# Altium PCB MOTHERBOARD_Hristo_JLC2313.PcbDoc (part 1 of 4) (continued)
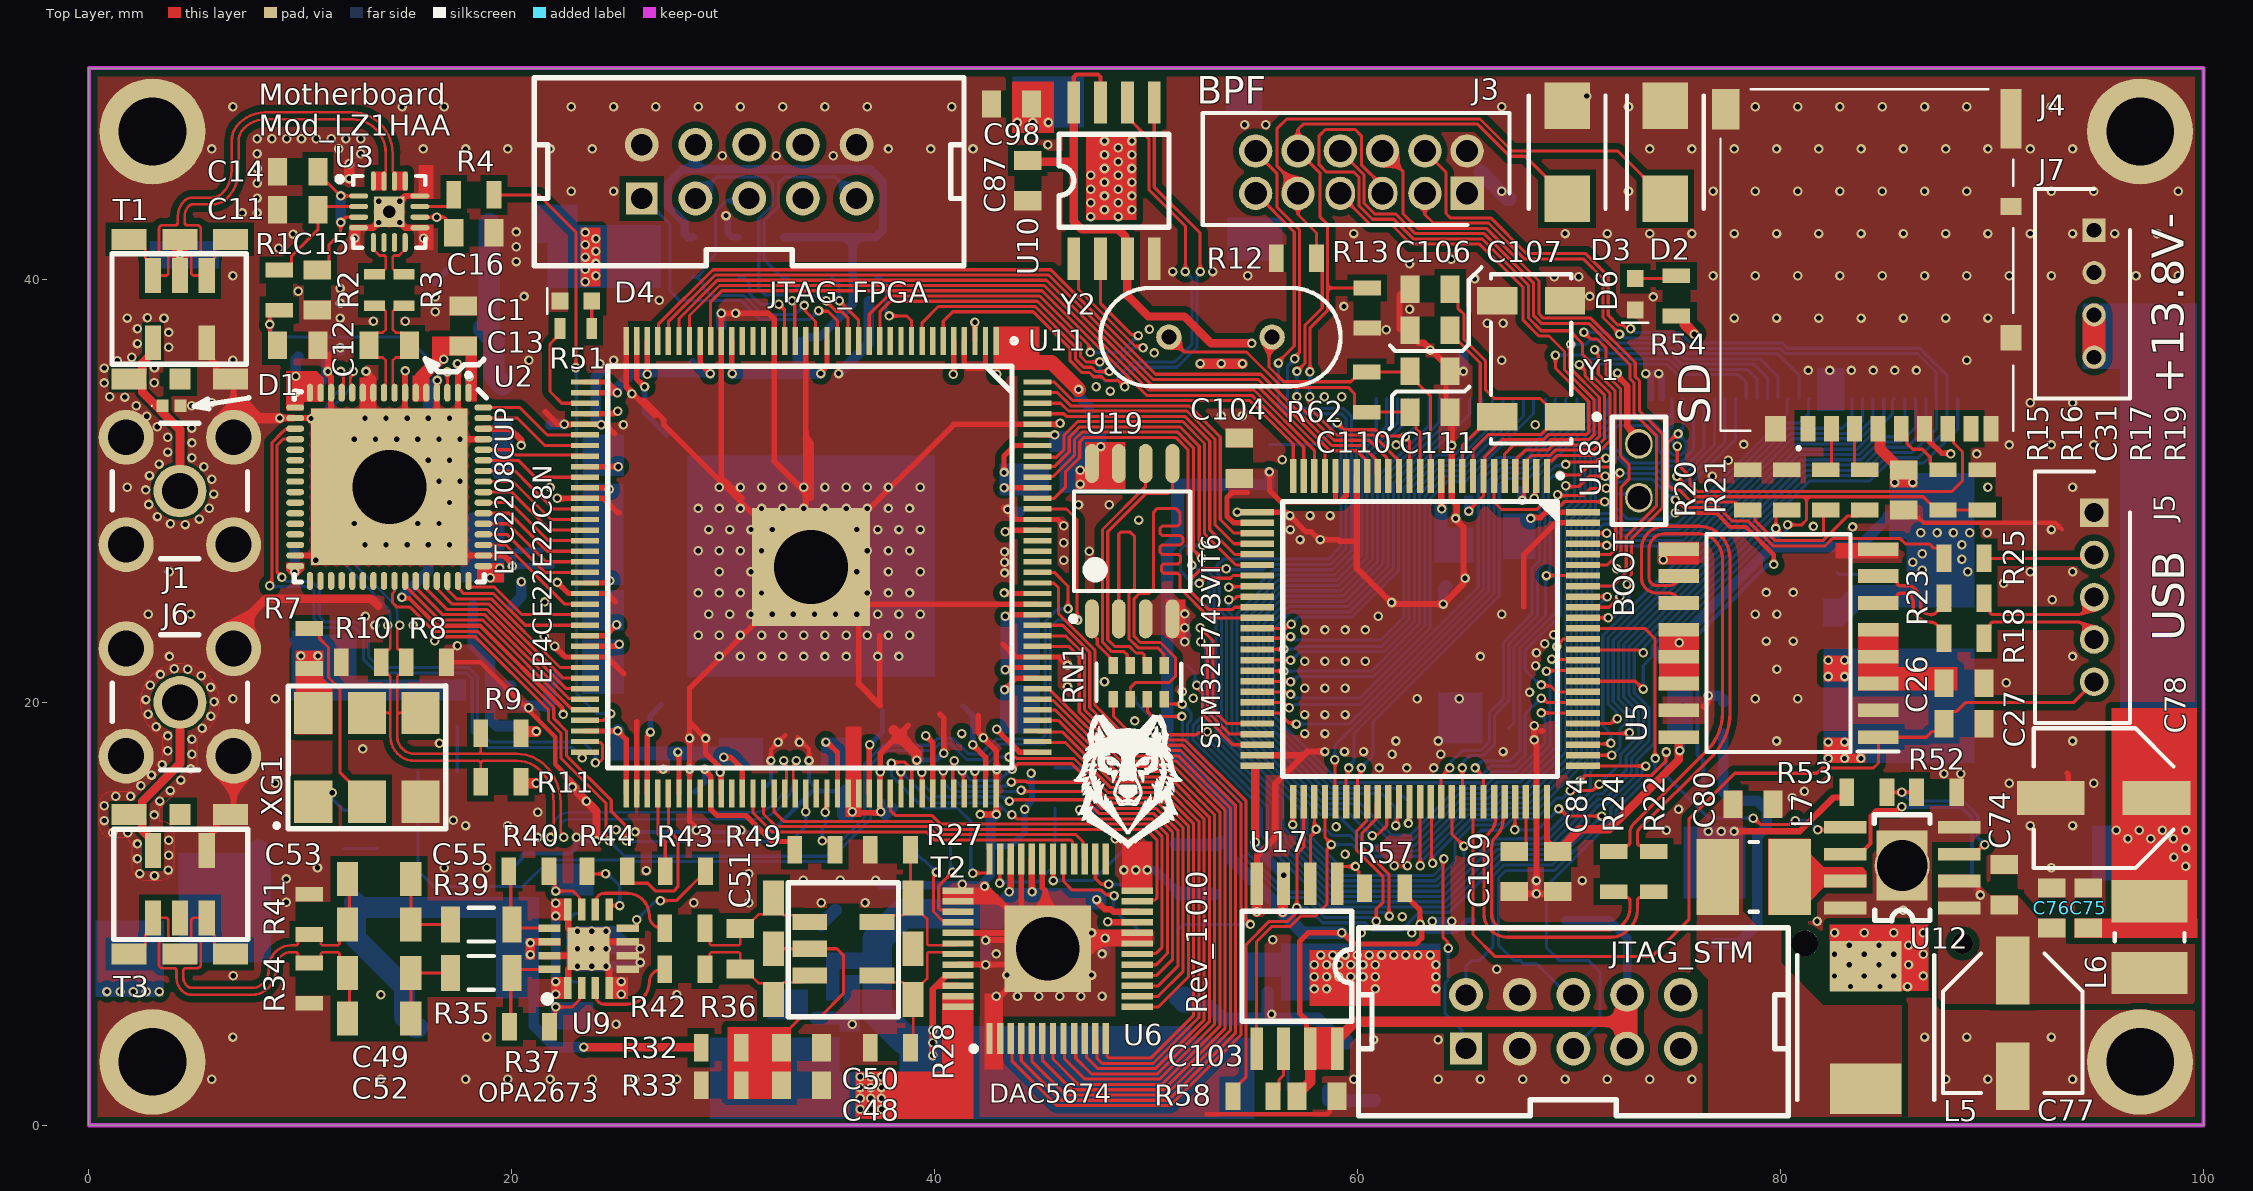
[diagram p0: Top Layer view]
## Footprints (in the part's own frame and the unit in brackets; to place one, negate y for a bottom-side part, rotate by r counter-clockwise, add the part's x,y. Pads: shape width x height; smd on the part's side, far side on the other; paste and mask are expansions set on the pad) (continued)
  rect 10x52 smd: 37(-344.49,-421.26) 38(-324.8,-421.26) 39(-305.12,-421.26) 40(-285.43,-421.26) 41(-265.75,-421.26) 42(-246.06,-421.26) 43(-226.38,-421.26) 44(-206.69,-421.26) 45(-187.01,-421.26) 46(-167.32,-421.26) 47(-147.64,-421.26) 48(-127.95,-421.26) 49(-108.27,-421.26) 50(-88.58,-421.26) 51(-68.9,-421.26) 52(-49.21,-421.26) 53(-29.53,-421.26) 54(-9.84,-421.26) 55(9.84,-421.26) 56(29.53,-421.26) 57(49.21,-421.26) 58(68.9,-421.26) 59(88.58,-421.26) 60(108.27,-421.26) 61(127.95,-421.26) 62(147.64,-421.26) 63(167.32,-421.26) 64(187.01,-421.26) 65(206.69,-421.26) 66(226.38,-421.26) 67(246.06,-421.26) 68(265.75,-421.26) 69(285.43,-421.26) 70(305.12,-421.26) 71(324.8,-421.26) 72(344.49,-421.26) 109(344.49,421.26) 110(324.8,421.26) 111(305.12,421.26) 112(285.43,421.26) 113(265.75,421.26) 114(246.06,421.26) 115(226.38,421.26) 116(206.69,421.26) 117(187.01,421.26) 118(167.32,421.26) 119(147.64,421.26) 120(127.95,421.26) 121(108.27,421.26) 122(88.58,421.26) 123(68.9,421.26) 124(49.21,421.26) 125(29.53,421.26) 126(9.84,421.26) 127(-9.84,421.26) 128(-29.53,421.26) 129(-49.21,421.26) 130(-68.9,421.26) 131(-88.58,421.26) 132(-108.27,421.26) 133(-127.95,421.26) 134(-147.64,421.26) 135(-167.32,421.26) 136(-187.01,421.26) 137(-206.69,421.26) 138(-226.38,421.26) 139(-246.06,421.26) 140(-265.75,421.26) 141(-285.43,421.26) 142(-305.12,421.26) 143(-324.8,421.26) 144(-344.49,421.26)
  round 157.48 hole 137.8: 145(0.01,-0.02)
  rect 220x220 smd: 145(0.01,-0.02)
  silkscreen extent -426,-379 374,383, body extent -394,-394 394,394, height 65
R-0603#1 [mm] "Thin Film, Rectangular Resisitor Chip, Body 1.6 x 0.9 mm (L x W)"
  rect 0.5x1 smd: 1(-0.75,0) 2(0.75,0)
  Top Layer pour cut-out: -0.5,0.5 0.5,0.5 0.5,-0.5 -0.5,-0.5
  body extent -0.8,-0.4 0.8,0.4, height 0.45
R-0603#2 [mm] "Thin Film, Rectangular Resisitor Chip, Body 1.6 x 0.9 mm (L x W)"
  rect 0.5x1 smd: 1(-0.75,0) 2(0.75,0)
  body extent -0.8,-0.4 0.8,0.4, height 0.45
R-0805 [mm] "Thin Film, Rectangular Resisitor Chip, Body 2 x 1.2 mm (L x W)"
  rect 0.7x1.3 smd: 1(-0.95,0) 2(0.95,0)
  Top Layer pour cut-out: -0.6,0.65 0.6,0.65 0.6,-0.65 -0.6,-0.65
  body extent -1,-0.62 1,0.62, height 0.6
RCLAMP0521PATCT [mm]
  rect 0.55x0.6 smd: 1(0.425,0) 2(-0.425,0)
  silkscreen extent 0.9,-0.02 0.95,0.02
RES_0603 [mm] "Thin Film, Rectangular Resisitor Chip, Body 1.6 x 0.9 mm (L x W)"
  rect 0.5x1 smd: 1(-0.75,0) 2(0.75,0)
  Top Layer pour cut-out: -0.5,0.5 0.5,0.5 0.5,-0.5 -0.5,-0.5
  body extent -0.8,-0.4 0.8,0.4, height 0.45
RES_0805 [mm] "Thin Film, Rectangular Resisitor Chip, Body 2 x 1.2 mm (L x W)"
  rect 0.7x1.3 smd: 1(-0.95,0) 2(0.95,0)
  Top Layer pour cut-out: -0.6,0.65 0.6,0.65 0.6,-0.65 -0.6,-0.65
  body extent -1,-0.62 1,0.62, height 0.6
RES_1206 [mm] "Thin Film, Rectangular Resisitor Chip, Body 3.2 x 1.6 mm (L x W)"
  rect 0.9x1.7 smd: 1(-1.45,0) 2(1.45,0)
  Top Layer pour cut-out: -1,0.85 1,0.85 1,-0.85 -1,-0.85
  silkscreen extent -0.6,-0.8 0.6,0.8, body extent -1.6,-0.8 1.6,0.8, height 0.6
SHDR4W50P0X200_1X4_990X450X600P [mm]
  rect 1.1x1.1 hole 0.7: 1(0,0)
  round 1.1 hole 0.7: 2(-2,0) 3(-4,0) 4(-6,0)
  silkscreen extent -7.95,-1.7 1.95,2.8, body extent -7.95,-2.25 1.95,2.25, height 6
SHDR5W50P0X200_1X5_1190X450X600P [mm]
  rect 1.35x1.35 hole 0.9: 1(0,0)
  round 1.35 hole 0.9: 2(-2,0) 3(-4,0) 4(-6,0) 5(-8,0)
  silkscreen extent -9.95,-1.7 1.95,2.8, body extent -9.95,-2.25 1.95,2.25, height 6
SHDR12W60P200_2X6_1400X500X690P [mm]
  rect 1.575x1.575 hole 1.05: 1(0,0)
  round 1.575 hole 1.05: 2(0,2) 3(-2,0) 4(-2,2) 6(-4,2) 8(-6,2) 9(-8,0) 10(-8,2) 11(-10,0) 12(-10,2)
  oval 1.4x1.575 hole 1.05: 5(-4,0) 7(-6,0)
  silkscreen extent -12.5,-1.5 2,3.8, body extent -12,-1.5 2,3.5, height 6.9
SMBJ36CATR [mm]
  rect 2.2x2.15 smd: 1(-2.2,0) 2(2.2,0)
  silkscreen extent -2.68,-1.81 2.68,1.81, body extent -3.08,-1.81 3.09,1.81, height 2.75
SOIC127P1032X265-16N [mm]
  rect 1.925x0.65 smd: 1(-4.712,4.445) 2(-4.712,3.175) 3(-4.712,1.905) 4(-4.712,0.635) 5(-4.712,-0.635) 6(-4.712,-1.905) 7(-4.712,-3.175) 8(-4.712,-4.445) 9(4.712,-4.445) 10(4.712,-3.175) 11(4.712,-1.905) 12(4.712,-0.635) 13(4.712,0.635) 14(4.712,1.905) 15(4.712,3.175) 16(4.712,4.445)
  silkscreen extent -5.68,-5.15 3.4,5.15, body extent -5.16,-5.15 5.16,5.15, height 2.65
ST1S10 [mm]
  rect 2x0.6 smd: 1(-2.7,1.905) 2(-2.7,0.635) 3(-2.7,-0.635) 4(-2.7,-1.905) 5(2.7,-1.905) 6(2.7,-0.635) 7(2.7,0.635) 8(2.7,1.905)
  rect 2.41x3.3 smd: 9(0,-0.1)
  silkscreen extent -1.32,-2.5 1.32,2.5, body extent -3,-2.45 3,2.45, height 1.63
STM32H743VIT6 [mm]
  rect 1.6x0.3 smd: 1(-7.7,6) 2(-7.7,5.5) 3(-7.7,5) 4(-7.7,4.5) 5(-7.7,4) 6(-7.7,3.5) 7(-7.7,3) 8(-7.7,2.5) 9(-7.7,2) 10(-7.7,1.5) 11(-7.7,1) 12(-7.7,0.5) 13(-7.7,0) 14(-7.7,-0.5) 15(-7.7,-1) 16(-7.7,-1.5) 17(-7.7,-2) 18(-7.7,-2.5) 19(-7.7,-3) 20(-7.7,-3.5) 21(-7.7,-4) 22(-7.7,-4.5) 23(-7.7,-5) 24(-7.7,-5.5) 25(-7.7,-6) 51(7.7,-6) 52(7.7,-5.5) 53(7.7,-5) 54(7.7,-4.5) 55(7.7,-4) 56(7.7,-3.5) 57(7.7,-3) 58(7.7,-2.5) 59(7.7,-2) 60(7.7,-1.5) 61(7.7,-1) 62(7.7,-0.5) 63(7.7,0) 64(7.7,0.5) 65(7.7,1) 66(7.7,1.5) 67(7.7,2) 68(7.7,2.5) 69(7.7,3) 70(7.7,3.5) 71(7.7,4) 72(7.7,4.5) 73(7.7,5) 74(7.7,5.5) 75(7.7,6)
  rect 0.3x1.6 smd: 26(-6,-7.7) 27(-5.5,-7.7) 28(-5,-7.7) 29(-4.5,-7.7) 30(-4,-7.7) 31(-3.5,-7.7) 32(-3,-7.7) 33(-2.5,-7.7) 34(-2,-7.7) 35(-1.5,-7.7) 36(-1,-7.7) 37(-0.5,-7.7) 38(0,-7.7) 39(0.5,-7.7) 40(1,-7.7) 41(1.5,-7.7) 42(2,-7.7) 43(2.5,-7.7) 44(3,-7.7) 45(3.5,-7.7) 46(4,-7.7) 47(4.5,-7.7) 48(5,-7.7) 49(5.5,-7.7) 50(6,-7.7) 76(6,7.7) 77(5.5,7.7) 78(5,7.7) 79(4.5,7.7) 80(4,7.7) 81(3.5,7.7) 82(3,7.7) 83(2.5,7.7) 84(2,7.7) 85(1.5,7.7) 86(1,7.7) 87(0.5,7.7) 88(0,7.7) 89(-0.5,7.7) 90(-1,7.7) 91(-1.5,7.7) 92(-2,7.7) 93(-2.5,7.7) 94(-3,7.7) 95(-3.5,7.7) 96(-4,7.7) 97(-4.5,7.7) 98(-5,7.7) 99(-5.5,7.7) 100(-6,7.7)
  silkscreen extent -7.92,-6.5 6.5,6.85, body extent -7,-7 7,7, height 1.6
TO228P991X238-3N [mm]
  rect 1.75x1 smd: 1(-4.7,2.285) 3(-4.7,-2.285)
  rect 6.35x5.55 smd: 4(2.4,0)
  silkscreen extent -5.42,-3.25 -1.15,3.42, body extent -4.95,-3.29 4.95,3.29, height 2.3
TO-252-2L [mm]
  rect 1.2x2 smd: 1(-2.285,-3.313) 3(2.285,-3.313)
  rect 5.8x5.85 smd: 2(0,3.313)
  silkscreen extent -3.17,-1.91 3.17,0.38
TRANSF_ACORE [mm]
  rect 1x1.65 smd: 1(-3.3,2.4) 2(-3.3,0) 3(-3.3,-2.4) 4(3.3,-2.4) 6(3.3,2.4)
  rect 1x1 smd: 5(3.3,0)
  rect 1.65x0.76 smd: 7(-1.59,1.27) 8(-1.59,0) 9(-1.59,-1.27) 10(1.59,1.27) 11(1.59,-1.27)
  silkscreen extent -2.61,-3.21 2.61,3.13, body extent -3.5,-3.94 3.5,3.94, height 5.24
TRANSF_ACORE2#1 [mm]
  rect 1x1.65 smd: 1(-3.3,2.4) 2(-3.3,0) 3(-3.3,-2.4) 4(3.3,-2.4) 6(3.3,2.4)
  rect 1x1 smd: 5(3.3,0)
  rect 1.65x0.76 smd: 7(-1.59,1.27) 8(-1.59,0) 9(-1.59,-1.27) 10(1.59,1.27) 11(1.59,-1.27)
  silkscreen extent -2.61,-3.21 2.61,3.13, body extent -3.5,-3.94 3.5,3.94, height 5.24
TRANSF_ACORE2#2 [mm]
  rect 1x1.65 smd: 1(-3.3,2.4) 2(-3.3,0) 3(-3.3,-2.4) 4(3.3,-2.4) 5(3.3,0) 6(3.3,2.4)
  rect 1.65x0.76 smd: 7(-1.59,1.27) 8(-1.59,0) 9(-1.59,-1.27) 10(1.59,1.27) 11(1.59,-1.27)
  silkscreen extent -2.61,-3.21 2.61,3.13, body extent -3.5,-3.94 3.5,3.94, height 5.24
W25Q16 [mm]
  rect 2x0.6 smd: 1(-3.9,1.9) 2(-3.9,0.635) 3(-3.9,-0.635) 4(-3.9,-1.905) 5(3.9,-1.905) 6(3.9,-0.635) 7(3.9,0.635) 8(3.9,1.9)
  silkscreen extent -2.6,-2.6 2.6,2.6, body extent -4.05,-2.69 4.05,2.69, height 2.16
WE-LQ-L [mm] "Inductor, 2-Leads, Body 4.5 x 3.2 mm"
  rect 2x3.6 smd: 1(-1.7,0) 2(1.7,0)
  silkscreen extent -0.2,-1.65 0.2,1.65, body extent -2.25,-1.6 2.25,1.6, height 2.59

## Part data
BOOT: library part 51022-0200, "2 Pin"
BT1: library part CMP-15817-000007-1, "BATTERY HOLDER COIN 12MM SMD", Case/Package=SMD/SMT, Max Operating Temperature=105°C, Min Operating Temperature=-55°C, Package Quantity=500, Contact Plating=Bronze, Material=Polyphenylene, Mount="Surface Mount", Number of Batteries=1, Number of Cells=1, Packaging="Tape and Reel", REACH SVHC="No SVHC", Termination=SMD/SMT
C1 C2 C3 C4 C5 C6 C9 C10 C11 C12 C13 C14 C15 C16 C17 C18 C19 C20 C21 C22 C24 C25 C26 C27 C28 C29 C31 C32 C33 C34 C35 C36 C39 C40 C42 C44 C45 C46 C47 C48 C50 C51 C54 C56 C57 C58 C59 C60 C61 C62 C63 C64 C65 C66 C67 C68 C69 C70 C71 C72 C73 C74 C75 C76 C80 C82 C83 C84 C87 C88 C90 C91 C92 C93 C94 C96 C98 C99 C100 C101 C102 C103 C104 C105 C106 C107 C108 C109 C110 C111 C113: library part CAP_0805, "CAP_0805"
C7 C8 C23 C30 C37 C38 C41 C43 C79 C81 C89 C95 C97: library part CAPAE_4.3x4.3h5.4, "CAPAE_4.3x4.3h5.4"
C49 C52 C53 C55: library part CAP_1206, "CAP_1206"
C77 C78: "Capacitor Polarised", Manufacturer_Name=Panasonic, Datasheet Link=http://industrial.panasonic.com/cdbs/www-data/pdf/RDE0000/ABA0000C1145.pdf, Height=7.8mm, Manufacturer_Part_Number=EEE1EA220SP
C85 C86: library part "C semi", "Ceramic Multilayer Capacitor", Manufacturer=Yageo/Phycomp, Manufacturer P/N=CC0603KRX7R9BB104, Tolerance=±10%, numsch=011, Parameters="100nF, X7R, 50V, ±10%", TypeNum=155
C112: library part "C semi", "Ceramic Multilayer Capacitor", Manufacturer=Yageo/Phycomp, Manufacturer P/N=CC0603JRNPO9BN102, Tolerance=±10%, numsch=011, Parameters="1nF, NP0, 50V, ±5%", TypeNum=155
D1: "TVS Diode (Uni-directional)", Manufacturer_Name=SEMTECH, Mouser Part Number=947-RCLAMP0521PATCT, Arrow Part Number=RCLAMP0521PATCT, Arrow Price/Stock=https://www.arrow.com/en/products/rclamp0521patct/semtech?region=nac, Datasheet Link=https://datasheet.datasheetarchive.com/originals/distributors/Datasheets-DGA26/1841510.pdf, Manufacturer_Part_Number=RCLAMP0521PATCT, Mouser Price/Stock=https://www.mouser.co.uk/ProductDetail/Semtech/RCLAMP0521PATCT?qs=rBWM4%252BvDhIfB36%252BFxGdBkA%3D%3D
D2 D3: library part SMLVT3V3, "Diode", Manufacturer_Name=STMicroelectronics, Mouser Part Number=511-SMLVT3V3, RS Part Number=5444821P, Allied Price/Stock=http://www.alliedelec.com/stmicroelectronics-smlvt3v3/70013736/, Allied_Number=70013736, Datasheet Link=http://www.st.com/web/en/resource/technical/document/datasheet/CD00000923.pdf, Height=2.65mm, Manufacturer_Part_Number=SMLVT3V3, Mouser Price/Stock=https://www.mouser.com/Search/Refine.aspx?Keyword=511-SMLVT3V3, RS Price/Stock=http://uk.rs-online.com/web/p/products/5444821P
D4 D6: library part "D LED", "SMD LED Diode", Manufacturer=Paralight, Manufacturer P/N=L-C192KFCT
D5: library part CMP-02539-000012-1, "DIODE SCHOTTKY 40V 3A DO214AB", Forward Current=3A, Manufacturer=Vishay, Max Junction Temp=+150°C, Max Repetitive Reverse Voltage=40V, Max Surge Forward Current=100A, Package=95402, Peak Reverse Current=0.5mA, Temperature="-55°C to +150°C", Temperature Range Low=-55°C, Automotive=No, Category=Diode, ComponentLink2Description=Datasheet, ComponentLink2URL=http://www.vishay.com/docs/88751/ss32.pdf, Device Class L1="Discrete Semiconductors", Device Class L2=Diodes, Device Class L3="Schottky Diodes", Digikey Description="DIODE SCHOTTKY 40V 3A DO214AB", Footprint Url=http://www.vishay.com/docs/95402/smc.pdf, Height=2.62mm, Lead Free=Yes, Manufacturer Part Number=SS34-E3/57T, Mouser Description="Schottky Diodes & Rectifiers 3.0 Amp 40 Volt", Octopart=https://octopart.com/ss34-e3%2F57t-vishay-39552907, RoHS=TRUE, Standoff Height=0mm, Temperature Range High=+150°C
J1 J6: library part 31-5431, "SMA"
J3: "Connector", Arrow Part Number=DF11-12DP-2DSA(24), Manufacturer_Name=Hirose, Mouser Part Number=798-DF11-12DP-2DSA24, Arrow Price/Stock=https://www.arrow.com/en/products/df11-12dp-2dsa-24/hirose-electric, Datasheet Link=https://datasheet.datasheetarchive.com/originals/distributors/SFDatasheet-7/sf-000141225.pdf, Height=6.9mm, Manufacturer_Part_Number=DF11-12DP-2DSA(24), Mouser Price/Stock=https://www.mouser.co.uk/ProductDetail/Hirose-Connector/DF11-12DP-2DSA24?qs=zOgoZG1CgI9hGIQfeQgy6Q%3D%3D
J4: "Connector", Manufacturer_Name=HRS(Hirose), Datasheet Link=https://datasheet.lcsc.com/szlcsc/Hirose-HRS-DM3AT-SF-PEJM5_C114218.pdf, Height=1.83mm, Manufacturer_Part_Number=DM3AT-SF-PEJM5
J5: "Connector", Arrow Part Number=B5B-PH-K-S(LF)(SN), Manufacturer_Name="JST (JAPAN SOLDERLESS TERMINALS)", Arrow Price/Stock=https://www.arrow.com/en/products/b5b-ph-k-s-lf-sn/jst-manufacturing, Datasheet Link=http://uk.rs-online.com/web/p/products/8201438, Height=6mm, Manufacturer_Part_Number=B5B-PH-K-S(LF)(SN)
J7: "Connector", Arrow Part Number=B4B-PH-K-S(LF)(SN), Manufacturer_Name="JST (JAPAN SOLDERLESS TERMINALS)", Arrow Price/Stock=https://www.arrow.com/en/products/b4b-ph-k-s-lf-sn/jst-manufacturing, Datasheet Link=https://datasheet.lcsc.com/szlcsc/JST-Sales-America-B4B-PH-K-S-LF-SN_C131334.pdf, Height=6mm, Manufacturer_Part_Number=B4B-PH-K-S(LF)(SN)
JTAG_FPGA JTAG_STM: library part IDC10, "2*5 Pin"
L1 L3: library part CMP-2000-05954-1, "Chip Bead, 1000 Ohm, +/- 25%, 200 mA, -55 to 85 degC, 2-Pin SMD, RoHS, Tape and Reel", Case Height=0.85mm, Case Length=2mm, Case Width=1.25mm, Manufacturer=Murata, Maximum DC Current=200mA, Maximum DC Resistance=450mOhms, Operating Temperature Range=-55Cto+125C, Package / Case=0805(2012metric), Package Description="2-Pin Surface Mount Device, Body 2 x1.25 mm", Package Reference=0805, Test Frequency=100MHz, Tolerance=25%, Brand=MurataElectronics, Datasheet URL=http://datasheet.octopart.com/BLM21AH102SN1D-Murata-datasheet-629859.pdf, Datasheet Version=11/2017, Dimensions=1.25mmWx2mmLx0.85mmH, Factory Pack Quantity=4000, Impedance=1kOhms, Manufacturer URL=http://www.murata.com/, Mounting Technology=SurfaceMount, Packaging=Reel, Product=FerriteChipBeads, Product Category=EMIFilterBeads,Chips&Arrays, RoHS=Details, Series=BLM21A, Termination Style=SMD/SMT
L2: library part CMP-14484-000363-1, "SMD Inductors 22uH ±20% 0.78A 0.351Ω 1210", Case Code (Imperial)=1210, Case Code (Metric)=3225, Current Rating=780mA, DC Resistance (DCR)=351mR, Inductance=22uH, Inductance Tolerance=20%, Max Operating Temperature=105°C, Min Operating Temperature=-40°C, Package Quantity=1000, Resistor Type=Wirewound, Saturation Current=620mA, Self Resonant Frequency=17MHz, Test Frequency=100kHz, Case/Package=1210, Core Material=Ferrite, DC Current=780mA, Depth=2.7mm, Halogen Free="Halogen Free", Height=2.5mm, Height - Seated (Max)=0.106inch, Lead Free="Lead Free", Length=0.126inch, Max DC Current=780mA, Military Standard=Not, Mount="Surface Mount", Number of Pins=2, Packaging="Tape and Reel", Radiation Hardening=No, RoHS Compliant=Yes, Series=CB, Shielding=Unshielded, Termination=SMD/SMT, Tolerance=20%, Width=0.098inch
L4 L6 L7: library part CMP-0227-00587-1, "SMD-RF-Inductor WE-LQ, L = 3.30 µH", Inductance="3.30 ÂµH", ComponentLink1Description="Manufacturer Link", ComponentLink1URL=http://www.we-online.com, ComponentLink2Description=Datasheet, ComponentLink2URL=http://www.we-online.de/katalog/media/pdf/744045003.pdf, DatasheetVersion="ver 3, Jul-2006", PackageDescription="Inductor, 2-Leads, Body 4.5 x 3.2 mm", PackageReference=WE-LQ-L, PackageVersion=2006
L5: "Inductor", Manufacturer_Name=Vishay, Mouser Part Number=70-IHLP2525CZER100M0, Arrow Part Number=IHLP2525CZER100M01, Arrow Price/Stock=https://www.arrow.com/en/products/ihlp2525czer100m01/vishay?region=nac, Datasheet Link=https://www.vishay.com/docs/34104/ihlp-2525cz-01.pdf, Height=3mm, Manufacturer_Part_Number=IHLP2525CZER100M01, Mouser Price/Stock=https://www.mouser.co.uk/ProductDetail/Vishay-Dale/IHLP2525CZER100M01?qs=PA%252BPfIdQ8xl3JLrMc5InbA%3D%3D
R1 R4 R5 R6 R8 R9 R10 R11 R12 R13 R14 R15 R16 R17 R18 R19 R20 R21 R22 R23 R24 R25 R26 R27 R28 R29 R30 R31 R32 R33 R34 R36 R37 R38 R40 R41 R42 R43 R44 R45 R46 R47 R48 R49 R50 R52 R53 R57 R58 R59 R60 R61 R62 R63 R65: library part RES_0805, "RES_0805"
R2 R3: library part RES_0603, "RES_0603"
R7: library part RES_0805, "By used crystal"
R35 R39: library part RES_1206, "RES_1206"
R51 R54 R55 R56 R64: library part "RES semi", "Chip Resistor", Manufacturer=Yageo/Phycomp, Manufacturer P/N=RC0603FR-0749R9L, numsch=021, Parameters="49.9R, RC, 0.1W, ±1%, TCR ±100ppm", TypeNum=212
RN1: library part CMP-05421-000006-1, "RES ARRAY 4 RES 10 OHM 1206", Case Code (Imperial)=1206, Case Code (Metric)=3216, Max Operating Temperature=125°C, Min Operating Temperature=-55°C, Number of Resistors=4, Package Quantity=1, Power Dissipation=63mW, Power Per Element=62.5mW, Resistance=10R, Resistance Tolerance=5%, Temperature Coefficient=200ppm/°C, Voltage Rating=50V, Voltage Rating (DC)=100V, Case/Package=1206, Circuit Type=Isolated, Contact Plating=Tin, Depth=1.6mm, Height=0.024inch, Lead Free="Lead Free", Length=3.2mm, Military Standard=Not, Mount="Surface Mount", Number of Contacts=8, Number of Elements=4, Number of Pins=8, Number of Terminals/Pins=8, Packaging="Tape and Reel", Radiation Hardening=No, RoHS Compliant=Yes, Series=EXB, Size Code=0603, Technology="THICK FILM", Terminal Pitch=0.8mm, Termination=Convex, Tolerance=5%, Width=0.063inch
T1 T2: library part TRANSF_ACORE2, "Transformer"
T3: library part TRANSF_ACORE, "Transformer"
U1 U13: library part CMP-0395-00327-2, "Single Output High PSRR LDO, 1 A, Fixed 3.3 V Output, 2.7 to 5.5 V Input, 6-pin SOT-223 (DCQ), -40 to 125 degC, Green (RoHS & no Sb/Br)", Manufacturer="Texas Instruments", Accuracy(%)=2, ComponentLink1Description="Manufacturer URL", ComponentLink1URL=http://www.ti.com/, ComponentLink2Description=Datasheet, ComponentLink2URL=http://www.ti.com/general/docs/lit/getliterature.tsp?genericPartNumber=TPS79633&fileType=pdf, ComponentLink3Description="Package Specification", ComponentLink3URL=http://www.ti.com/litv/pdf/mpds098c, DatasheetVersion=SLVS351N, Eco-Plan="Green (RoHS & no Sb/Br)", Fixed Output Options(V)=3.3, Iout(Max)(A)=1, Iq(Typ)(mA)=0.26, Mounting Technology="Surface Mount", PackageDescription="6-Pin Plastic Small Outline, Body 3.5 x 6.5 mm, Pitch 1.27 mm", PackageReference=DCQ0006A, PackageVersion=4202109/D, PartNumber=TPS79633DCQR, SubFamily="Single Channel LDO", Vdo(Typ)(mV)=220, Vin(Max)(V)=5.5, Vin(Min)(V)=2.7, Vout Adj(Max)(V)=3.3, Vout Adj(Min)(V)=3.3
U3: library part CMP-0359-03855-2, "Single Channel, Low Noise, Low Distortion Differential ADC Driver for 300 MHz IF, 1800 MHz Typical GBW, 4500 V/us Typical SR, 2.85 to 3.5 V, 16-Pin QFN (UD-16), Industrial, Pb-Free", Linear Technology Part Number=LTC6400-20, Manufacturer="Linear Technology", PartNumber=LTC6400IUD-20#PBF, Channels (#)=1, Code_JEDEC=MO-220, ComponentLink1Description="Manufacturer URL", ComponentLink1URL=http://www.linear.com/, ComponentLink2Description=Datasheet, ComponentLink2URL=http://cds.linear.com/docs/en/datasheet/640020f.pdf, ComponentLink3Description="Package Specification", ComponentLink3URL=http://cds.linear.com/docs/en/packaging/QFN_16_05-08-1691.pdf, GBW (MHz) Typical=1800, Is (mA) Typical=90, Mounting Technology="Surface Mount", PackageDescription="16-Lead Plastic QFN, Body 3.00 x 3.00 mm, Pitch 0.5 mm", PackageReference=LT-UD-16, RevisionNote="URLs updated", RoHS=Pb-Free, SR (V/us) Typical=4500, Type=DIFF, Vos (mV) Typical=2, Vs Max (V)=3.5, Vs Min (V)=2.85
U4 U7: library part CMP-0394-00364-2, "Single Output High PSRR LDO, 200 mA, Fixed 3.3 V Output, 2.7 to 5.5 V Input, 5-pin SOT-23 (DBV), -40 to 85 degC, Green (RoHS & no Sb/Br)", Manufacturer="Texas Instruments", Rating=Catalog, Accuracy(%)=2, Code_JEDEC=MO-178, ComponentLink1Description="Manufacturer URL", ComponentLink1URL=http://www.ti.com/, ComponentLink2Description=Datasheet, ComponentLink2URL=http://www.ti.com/general/docs/lit/getliterature.tsp?genericPartNumber=TPS79333&fileType=pdf, ComponentLink3Description="Package Specification", ComponentLink3URL=http://www.ti.com/litv/pdf/mpds018i, DatasheetVersion=SLVS348K, Eco-Plan="Green (RoHS & no Sb/Br)", Fixed Output Options(V)=3.3, Iout(Max)(A)=0.2, Iq(Typ)(mA)=0.2, Mounting Technology="Surface Mount", PackageDescription="5-Pin Plastic Small Outline, Body 1.60 Ãƒâ€” 2.90 mm, Pitch 0.95 mm", PackageReference=DBV0005A, PackageVersion=4073253-4/K, PartNumber=TPS79333DBVR, SubFamily="Single Channel LDO", Vdo(Typ)(mV)=102, Vin(Max)(V)=5.5, Vin(Min)(V)=2.7, Vout Adj(Max)(V)=3.3, Vout Adj(Min)(V)=3.3
U5: library part ADUM4160BRWZ, "Integrated Circuit", Manufacturer_Name="Analog Devices", Mouser Part Number=584-ADUM4160BRWZ, Arrow Part Number=ADUM4160BRWZ, Arrow Price/Stock=https://www.arrow.com/en/products/adum4160brwz/analog-devices, Datasheet Link=http://uk.rs-online.com/web/p/products/9129526, Height=2.65mm, Manufacturer_Part_Number=ADUM4160BRWZ, Mouser Price/Stock=https://www.mouser.co.uk/ProductDetail/Analog-Devices/ADUM4160BRWZ/?qs=WIvQP4zGanj8VHq3sVqu9A%3D%3D
U6: library part DAC5674IPHP, "Integrated Circuit", Manufacturer_Name="Texas Instruments", Datasheet Link=https://www.ti.com/lit/ds/symlink/dac5674.pdf, Height=1mm, Manufacturer_Part_Number=DAC5674IPHP
U8: library part CMP-0394-00328-2, "Single Output High PSRR LDO, 200 mA, Fixed 1.8 V Output, 2.7 to 5.5 V Input, 5-pin SOT-23 (DBV), -40 to 85 degC, Green (RoHS & no Sb/Br)", Manufacturer="Texas Instruments", Rating=Catalog, Accuracy(%)=2, Code_JEDEC=MO-178, ComponentLink1Description="Manufacturer URL", ComponentLink1URL=http://www.ti.com/, ComponentLink2Description=Datasheet, ComponentLink2URL=http://www.ti.com/general/docs/lit/getliterature.tsp?genericPartNumber=TPS79318&fileType=pdf, ComponentLink3Description="Package Specification", ComponentLink3URL=http://www.ti.com/litv/pdf/mpds018i, DatasheetVersion=SLVS348K, Eco-Plan="Green (RoHS & no Sb/Br)", Fixed Output Options(V)=1.8, Iout(Max)(A)=0.2, Iq(Typ)(mA)=0.2, Mounting Technology="Surface Mount", PackageDescription="5-Pin Plastic Small Outline, Body 1.60 Ãƒâ€” 2.90 mm, Pitch 0.95 mm", PackageReference=DBV0005A, PackageVersion=4073253-4/K, PartNumber=TPS79318DBVR, SubFamily="Single Channel LDO", Vdo(Typ)(mV)=112, Vin(Max)(V)=5.5, Vin(Min)(V)=2.7, Vout Adj(Max)(V)=1.8, Vout Adj(Min)(V)=1.8
U9: library part OPA2673IRGVT, "Integrated Circuit", Manufacturer_Name="Texas Instruments", Mouser Part Number=595-OPA2673IRGVT, RS Part Number=8122587P, Datasheet Link=http://www.ti.com/lit/gpn/opa2673, Height=1mm, Manufacturer_Part_Number=OPA2673IRGVT, Mouser Price/Stock=https://www.mouser.co.uk/ProductDetail/Texas-Instruments/OPA2673IRGVT?qs=xHCJPbHdANbeLKV0FJjs6g%3D%3D, RS Price/Stock=http://uk.rs-online.com/web/p/products/8122587P
U15: "Integrated Circuit", Manufacturer_Name="Texas Instruments", Mouser Part Number=926-LM1117DT-25, Datasheet Link=https://datasheet.datasheetarchive.com/originals/distributors/Datasheets-22/DSA-425562.pdf, Height=2.38mm, Manufacturer_Part_Number=LM1117DT-2.5, Mouser Price/Stock=https://www.mouser.com/Search/Refine.aspx?Keyword=926-LM1117DT-25
U16: library part LM1117DT-1.8, "Integrated Circuit", Manufacturer_Name="Texas Instruments", Mouser Part Number=926-LM1117DT-18, Datasheet Link=https://datasheet.datasheetarchive.com/originals/distributors/SFDatasheet-3/sf-00077938.pdf, Height=2.38mm, Manufacturer_Part_Number=LM1117DT-1.8, Mouser Price/Stock=https://www.mouser.com/Search/Refine.aspx?Keyword=926-LM1117DT-18
U18: library part STM32H743VIT6, "STM32H743VIT6"
U19: library part CMP-2000-07468-1, "Micron Serial NOR Flash Memory, 2.7 to 3.6 V, 128 Mb, -40 to 85 degC, 8-Pin SOP2 (SE), RoHS, Tape and Reel", Manufacturer=Micron, Package Description="8-Pin Small Outline Package, Body 5.285 x 5.285 mm, Pitch 1.27 mm", Package Reference=SE-8, Datasheet URL=https://www.micron.com/~/media/documents/products/data-sheet/nor-flash/serial-nor/mt25q/die-rev-a/mt25q_qlhs_l_128_aba_0.pdf, Datasheet Version="Rev. I , 09/2016", Manufacturer URL=http://www.micron.com/, Mounting Technology=SurfaceMount, RoHSCompliant=true
XG1: library part NV7050SA, "NV7050SA VG-4513CA-122.8800M-GGCT3"
XG2: library part 581L200X2ITT, "Crystal or Oscillator", Manufacturer_Name=CTS, Mouser Part Number=774-581L200X2ITT, Datasheet Link=https://componentsearchengine.com/Datasheets/1/581L200X2ITT.pdf, Height=1.65mm, Manufacturer_Part_Number=581L200X2ITT, Mouser Price/Stock=https://www.mouser.com/Search/Refine.aspx?Keyword=774-581L200X2ITT
Y1: library part CMP-2000-05036-1, "Low Frequency Crystal, 32.768 KHz, 6 pF, +/- 20 ppm, -40 to 85 degC, 4-Pin SMD, RoHS, Tape and Reel", Case Height=2.5mm, Case Length=8mm, Case Width=3.8mm, Frequency=32.768kHz, Load Capacitance=6pF, Manufacturer=Abracon, Operating Temperature Range=-40Cto+85C, Package / Case=8mmx3.8mm, Package Description="4-Pin Surface Mount Device, Body 8 x 3.8 mm, Pitch 5.5 mm", Package Reference=ABS25, Tolerance=20PPM, Brand=ABRACON, Datasheet URL=https://datasheet.ciiva.com/854/abs25-854528.pdf, Datasheet Version=Jun-17, Dimensions=3.8mmWx8mmLx2.5mmH, ESR=50kOhms, Factory Pack Quantity=3000, Manufacturer URL=http://www.abracon.com/, Mounting Style=SMD/SMT, Packaging=Reel, Product Category=Crystals, RoHS=Details, Series=ABS25, Termination Style=SMD/SMT, Type=LowFrequencyCrystal
Y2: library part CMP-1749-00004-1, "Resistance Weld Thru-Hole Crystal, 8 MHz, +/-30 ppm, -20 to 70 degC, 2-Pin THD, RoHS, Bulk", Case\Package=TO-251-3, Input Capacitance="350 pF", Max Operating Temperature="150 degC", Max Power Dissipation="2.5 W", Min Operating Temperature="-55 degC", Package Quantity=70, ComponentLink1Description="Manufacturer URL", ComponentLink1URL=http://www.foxonline.com/, ComponentLink2Description=Datasheet, ComponentLink2URL=http://www.foxonline.com/pdfs/hc49slf.pdf, DatasheetVersion=Mar-15, Elements=1, Height="6.1 mm", Length="6.6 mm", Mount="Through Hole", PackageDescription="2-Pin Through Hole Device, Body 11.35 x 4.65 mm, Pitch 4.88 mm", PackageReference=FOXSLF-2, Packaging=Rail/Tube, Pins=3, Radiation Hardening=No, Rds On Max="115 mohm", REACH SVHC="No SVHC", RoHSCompliant=true, Typical Rise Time="90 ns", Width="2.3 mm"

## Free pads (board coordinates)
  round 5 hole 3.2: ""(3,3) ""(3,47) ""(97,3) ""(97,47)
  round 2.6 hole 2.4: ""(85.75,12.285)

## Via types
v1: diameter 0.45, hole 0.25, Top Layer to Bottom Layer, tented both sides, 1045 vias

## Nets (pads, with @x,y where several pads share a name; then routed paths per layer and width w, separated by ;. In a path a pad name is that pad's centre, name@x,y a point inside that pad or via, vN(x,y) a via of type N, cw(c..) or ccw(c..) an arc to the next point about the centre after c; other vN are vias at no path point)
5V: C79.1 C80.2 L5.1 L7.2 R53.2 | length 6.8
  Top Layer w0.3: L7.2@76.516,11.591 L7.2@76.675,11.75 ; C80.2@77.75,15.175 C80.2@78.05,14.875 ; v1(77.8,13.9) 80.9,13.9 82.501,15.501 82.925,15.501 83.125,15.701 R53.2@83.125,15.75
  other v1: 76.575,13.9 77.187,13.9